# Altium PCB Nucleo Shield.PcbDoc (continued)
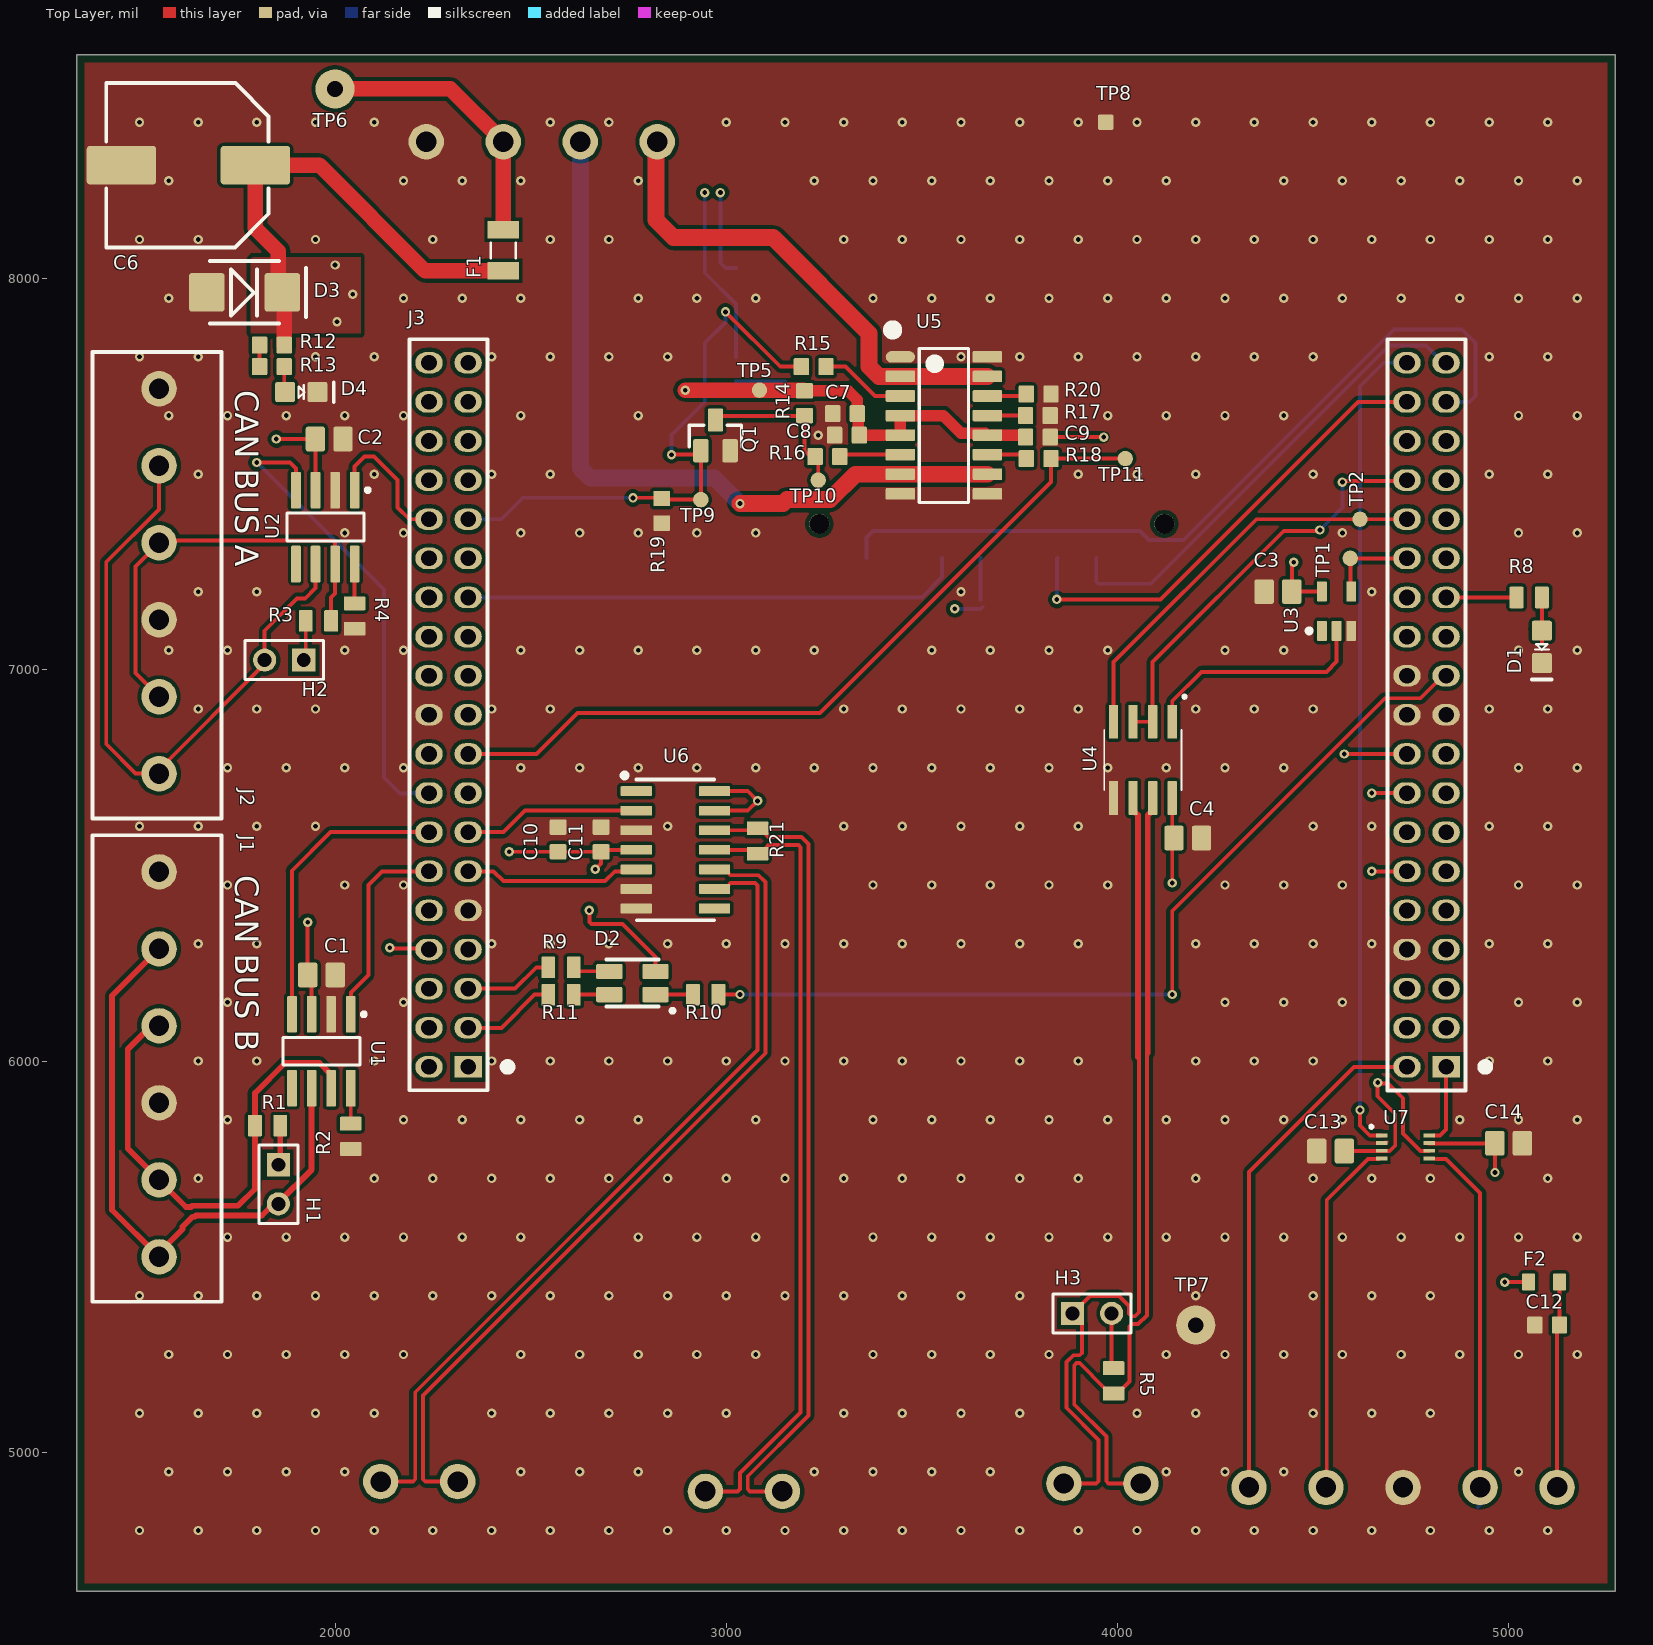
[diagram p0: Top Layer view]
## Components (designator, comment, footprint, x,y, rotation, side; value= is the part's Value field where it differs from the comment) (continued)
TP7 "TESTPOINT_LOOP" TESTPOINT_LOOP 4200,5325 r180 top
TP8 "TESTPOINT_1MM_SQUARE" TESTPOINT_SQUARE_1MM 3970,8400 r270 top
TP9 "TESTPOINT_1MM_CIRCLE" TESTPOINT_CIRCLE_1MM 2935,7435 r90 top
TP10 "TESTPOINT_1MM_CIRCLE" TESTPOINT_CIRCLE_1MM 3235,7485 r0 top
TP11 "TESTPOINT_1MM_CIRCLE" TESTPOINT_CIRCLE_1MM 4020,7540 r0 top
U1 "IC_CAN_TRANSCEIVER" LT-S8_N 1965,6025 r270 top
U2 "IC_CAN_TRANSCEIVER" LT-S8_N 1975,7365 r270 top
U3 "IC_BUFFER" SN74LV1T34DBVR 4560,7150 r90 top
U4 "MAX485CSA" SOIC127P600X175-8N 4065,6770 r270 top
U5 "IC_MOTOR_DRIVER_ST" SO-16N 3556.22,7625 r0 top
U6 "MAX3491" MAX3491CSD+T 2870,6540 r0 top
U7 "IC_LVL_SHIFTER_2_CH" TXS0102QDCURQ1 4675,5810 r270 top

## Footprints (in the part's own frame and the unit in brackets; to place one, negate y for a bottom-side part, rotate by r counter-clockwise, add the part's x,y. Pads: shape width x height; smd on the part's side, far side on the other; paste and mask are expansions set on the pad)
1935161 [mm] "TERM BLK 2POS SIDE ENTRY 5MM PCB"
  round 2.3 hole 1.325: 1(-2.5,0) 2(2.5,0)
  silkscreen extent -5.01,-4.57 4.83,3.94, body extent -5.01,-5.06 5.39,3.94, height 11.41
1935187 [mm]
  round 2.3 hole 1.325: 1(-7.5,0) 2(-2.5,0) 3(2.5,0) 4(7.5,0)
  silkscreen extent -10.41,-4.06 9.78,4.32, body extent -10.79,-4.06 9.78,4.94, height 11.41
1935190 [mm]
  round 2.3 hole 1.325: 1(-10,0) 2(-5,0) 3(0,0) 4(5,0) 5(10,0)
  silkscreen extent -12.91,-4.06 12.49,4.32, body extent -13.1,-4.1 12.47,4.9, height 11.41
1935200 [mm]
  round 2.3 hole 1.325: 1(0,0) 2(5,0) 3(10,0) 4(15,0) 5(20,0) 6(25,0)
  silkscreen extent -2.91,-4.06 27.37,4.32, body extent -2.71,-4.45 27.86,4.55, height 11.41
CAP0603 [mm]
  rrect20% 1x1.1 smd: 1(-0.8,0) 2(0.8,0)
  body extent -0.87,-0.48 0.88,0.48, height 0.87
CAP2012 [mm]
  rrect20% 1.25x1.6 smd: 1(-0.895,0) 2(0.895,0)
  body extent -1.1,-0.7 1.1,0.75, height 1.41
FUSE_0603 [mm] "Chip Fuse, Body 1.6x0.81mm"
  rrect15% 0.85x1.09 smd: 1(-1.005,0) 2(1.005,0)
  body extent -0.8,-0.38 0.8,0.38, height 0.75
FUSE_1206 [mil]
  rect 45x80 smd mask+1: 1(-52.5,0) 2(52.5,0)
  silkscreen extent -20,-32 20,32, body extent -65,-32 65,32, height 32
HDR1X2 [mm] "Connector; Header; 2 Position"
  rect 1.5x1.5 hole 0.9: 1(0,0)
  round 1.5 hole 0.9: 2(2.54,0)
  silkscreen extent -1.27,-1.27 3.81,1.27, body extent -1.27,-1.27 3.81,1.27, height 6.35
HEADER_NUCLEO [mil] "Nucleo board's header"
  rect 70x55 hole 40: 1(-1300,900) 39(1200,900)
  oval 70x55 hole 40: 2(-1200,900) 3(-1300,800) 4(-1200,800) 5(-1300,700) 6(-1200,700) 7(-1300,600) 8(-1200,600) 9(-1300,500) 10(-1200,500) 11(-1300,400) 12(-1200,400) 13(-1300,300) 14(-1200,300) 15(-1300,200) 16(-1200,200) 17(-1300,100) 18(-1200,100) 19(-1300,0) 20(-1200,0) 21(-1300,-100) 22(-1200,-100) 23(-1300,-200) 24(-1200,-200) 25(-1300,-300) 26(-1200,-300) 27(-1300,-400) 28(-1200,-400) 29(-1300,-500) 30(-1200,-500) 31(-1300,-600) 32(-1200,-600) 33(-1300,-700) 34(-1200,-700) 35(-1300,-800) 36(-1200,-800) 37(-1300,-900) 38(-1200,-900) 40(1300,900) 41(1200,800) 42(1300,800) 43(1200,700) 44(1300,700) 45(1200,600) 46(1300,600) 47(1200,500) 48(1300,500) 49(1200,400) 50(1300,400) 51(1200,300) 52(1300,300) 53(1200,200) 54(1300,200) 55(1200,100) 56(1300,100) 57(1200,0) 58(1300,0) 59(1200,-100) 60(1300,-100) 61(1200,-200) 62(1300,-200) 63(1200,-300) 64(1300,-300) 65(1200,-400) 66(1300,-400) 67(1200,-500) 68(1300,-500) 69(1200,-600) 70(1300,-600) 71(1200,-700) 72(1300,-700) 73(1200,-800) 74(1300,-800) 75(1200,-900) 76(1300,-900)
  silkscreen extent -1410,-960 1349,960, body extent -1350,-960 1350,960, height 335
HRS_DM1AA-SF-PEJ(21) [mm]
  rect 1.1x2 smd: 1(6.875,14.95) 2(4.375,14.95) 3(1.875,14.95) 4(-0.625,14.95) 5(-3.125,14.95) 6(-5.625,14.95) 7(-8.05,14.95) 8(-9.75,14.95) 9(9.375,14.95)
  rect 2x1 smd: 10(-13.3,3.55) 11(-13.3,-5.4) 12(-13.3,-8)
  rect 2x2 smd: 13(-13.7,8.2) 14(-13.7,-10.45) 15(15.3,-10.45) 16(15.3,8.2)
  round 1.3 hole 1.3 unplated: ""(-11.1,12.75) ""(11.3,12.75)
  silkscreen extent -13.2,-15.25 14.8,16.85, body extent -14.2,-15.25 15.8,15.25, height 2.9
LED_0805_GREEN [mm] "SMD, 2-Leads, Body 2x1.25mm"
  rrect20% 1.3x1.3 smd: 1(-1.05,0) 2(1.05,0)
  silkscreen extent -0.18,-0.63 2.11,0.64, body extent -1,-0.62 1,0.63, height 1.12
LED_RGB [mm]
  rrect20% 1x1.7 smd: 1(-0.75,-1.5) 2(-0.75,1.5) 3(0.75,1.5) 4(0.75,-1.5)
  silkscreen extent -1.92,-2.73 1.53,1.7, body extent -1.4,-1.75 1.4,1.75, height 1.89
LT-S8_N [mm] "SOP, 8-Leads, Body 4.9x3.9mm, Pitch 1.27mm, IPC Medium Density"
  rrect20% 2.375x0.625 smd: 1(-2.4,1.905) 2(-2.4,0.635) 3(-2.4,-0.635) 4(-2.4,-1.905) 5(2.4,-1.905) 6(2.4,-0.635) 7(2.4,0.635) 8(2.4,1.905)
  silkscreen extent -2.52,-2.5 0.9,2.88, body extent -2.91,-2.4 2.87,2.5, height 1.45
MAX3491CSD+T [mil] "RS-422/485 Transceiver footprint (14-SOIC)"
  rrect15% 80x25 smd: 1(-100,150) 2(-100,100) 3(-100,50) 4(-100,0) 5(-100,-50) 6(-100,-100) 7(-100,-150) 8(100,-150) 9(100,-100) 10(100,-50) 11(100,0) 12(100,50) 13(100,100) 14(100,150)
  silkscreen extent -135,-180 98,195, body extent -120,-173 117,173, height 67
NMOS_SSOT-3 [mm] "FDN337N"
  rrect20% 1x1.5 smd: 1(-0.95,-1) 2(0.95,-1) 3(0,1)
  silkscreen extent -1.7,-0.75 1.7,0.66, body extent -1.46,-1.41 1.46,1.1, height 1.12
RADIAL_PANASONIC_G [mm] "Size G radial surface mount capacitor"
  rrect15% 2.5x4.5 smd: 1(0,-4.35) 2(0,4.35)
  silkscreen extent -5.33,-5.21 5.33,5.33, body extent -5.15,-5.8 5.15,5.8, height 10.21
RESC0603 [mm] "Chip Resistor, Body 1.6x0.8mm, IPC Medium Density"
  rrect15% 1x1.1 smd: 1(0,0) 2(1.6,0)
  body extent 0,-0.4 1.6,0.4, height 0.46
RESC0805 [mm] "Chip Resistor, 2-Leads, Body 2.00x1.25mm, IPC High Density"
  rrect15% 0.9x1.4 smd: 1(-0.825,0) 2(0.825,0)
  body extent -1,-0.62 1,0.63, height 0.61
SN74LV1T34DBVR [mm] "SOT-23-5, Unidirectional level shifter"
  rrect15% 1.3x0.63 smd mask+0.05: 1(-1.279,0.95) 2(-1.279,0) 3(-1.279,-0.95) 4(1.279,-0.95) 5(1.279,0.95)
  silkscreen extent -1.42,1.64 -1.14,1.92, body extent -1.4,-1.45 1.4,1.45, height 1.2
SO-16N [mm]
  oval 1.9x0.75 smd: 1(-2.825,4.445)
  rrect15% 1.9x0.75 smd: 2(-2.825,3.175) 3(-2.825,1.905) 4(-2.825,0.635) 5(-2.825,-0.635) 6(-2.825,-1.905) 7(-2.825,-3.175) 8(-2.825,-4.445) 9(2.825,-4.445) 10(2.825,-3.175) 11(2.825,-1.905) 12(2.825,-0.635) 13(2.825,0.635) 14(2.825,1.905) 15(2.825,3.175) 16(2.825,4.445)
  silkscreen extent -3.45,-5 1.6,6.32, body extent -3,-5 3,5, height 1.75
SOIC127P600X175-8N [mm]
  rrect15% 2.2x0.6 smd: 1(-2.475,1.905) 2(-2.475,0.635) 3(-2.475,-0.635) 4(-2.475,-1.905) 5(2.475,-1.905) 6(2.475,-0.635) 7(2.475,0.635) 8(2.475,1.905)
  silkscreen extent -4.2,-2.51 1.95,2.8, body extent -3,-2.45 3,2.45, height 1.75
TESTPOINT_CIRCLE_1MM [mm]
  round 1 smd: 1(0,0)
TESTPOINT_LOOP [mm]
  round 2.54 hole 1.02: 1(0,0)
  body extent -1.27,-1.27 1.27,1.27, height 4.57
TESTPOINT_SQUARE_1MM [mm]
  rrect20% 1x1 smd: 1(0,0)
TVS_DIODE_UNIDIRECTIONAL_SMB [mm] "SMBJ26A"
  rrect15% 2.3x2.5 smd: 1(-2.45,0) 2(2.45,0)
  silkscreen extent -4,-2.03 2.25,2.03, body extent -2.7,-1.8 2.7,1.8, height 2.27
TXS0102QDCURQ1 [mm]
  rect 0.25x0.75 smd: 1(0,0) 2(0.5,0) 3(1,0) 4(1.5,0) 5(1.5,3.1) 6(1,3.1) 7(0.5,3.1) 8(0,3.1)
  silkscreen extent -0.66,-0.76 -0.46,-0.56, body extent -0.29,0.1 1.81,3.2, height 0.9

## Part data
C1 C2 C3 C4 C5 C13 C14: "CAP CER 0.1UF 50V X7R 0805", Dielectric=X7R, LCSC Part #=C49678, Manufacturer 1="Murata Electronics", Manufacturer Part Number 1=GCM21BR71H104KA37K, Package/Footprint=0805, Supplier Part Number 1=490-8049-1-ND, Voltage Rating=50V, Mounting Type=SMD, Supplier 1=Digi-Key
C6: "CAP ALUM 270uF 50VDC 20% SMD", Manufacturer 1="Panasonic Electronic Components", Manufacturer Part Number 1=EEE-FN1H271UP, Package/Footprint=SMD, Supplier Part Number 1=10-EEE-FN1H271UPCT-ND, Voltage Rating=50V, Mounting Type=SMD, Supplier 1=Digi-Key
C7 C8 C9 C11 C12: "CAP CER 0.1UF 50V X7R 0603", Dielectric=X7R, Manufacturer 1=Yageo, Manufacturer Part Number 1=CC0603KRX7R9BB104, Package/Footprint=0603, Supplier Part Number 1=311-1344-1-ND, Voltage Rating=50V, Mounting Type=SMD, Supplier 1=Digi-Key
C10: "CAP CER 1UF 25V X5R 0603", Dielectric=X5R, Manufacturer 1=Samsung, Manufacturer Part Number 1=CL10A105KA8NNNC, Package/Footprint=0603, Supplier Part Number 1=1276-1102-1-ND, Voltage Rating=25V, Mounting Type=SMD, Supplier 1=Digi-Key
D1 D4: "LED GREEN DIFFUSED 0805 SMD", Forward Voltage Drop=2.2V, Manufacturer 1=OSRAM, Manufacturer Part Number 1="LG R971-KN-1", Package/Footprint=0805, Supplier Part Number 1=475-1410-1-ND, Mounting Type=SMD, Supplier 1=Digi-Key
D2: "LED RGB DIFFUSED 4PLCC SMD", Color=Blue,Green,Red, Forward Voltage=3.1V, Lens Color=White, Manufacturer 1=Broadcom, Manufacturer Part Number 1=ASMB-MTB1-0A3A2, Package/Footprint=4-PLCC, Supplier Part Number 1=516-3280-1-ND, Test Current=20mA, Dominant Wavelength=470nm, Lens Style=Round, Lens Transparency=Diffused, Luminous Intensity=350mcd, Mounting Type=SMD, Number of Pins=4, Supplier 1=Digi-Key, Viewing Angle=115°
D3: "TVS DIODE 26V 42.1V SMB", Manufacturer 1=Littelfuse, Manufacturer Part Number 1=SMBJ26A, Package/Footprint=SMB, Supplier Part Number 1=SMBJ26ALFCT-ND, Mounting Type=SMD, Supplier 1=Digi-Key, Verified=No
F1: "FUSE BOARD MNT 5A 32VAC/VDC 1206", Current Rating=5A, Manufacturer 1=Littelfuse, Manufacturer Part Number 1=0466005.NRHF, Package/Footprint=1206, Supplier Part Number 1=F6019CT-ND, Mounting Type=SMD, Supplier 1=Digi-Key
F2: "FUSE SMD 250mA 32V", Current Rating=250mA, Manufacturer 1=Littelfuse, Manufacturer Part Number 1=0467.250NRHF, Package/Footprint=0603, Supplier Part Number 1=F6020CT-ND, Voltage Rating (DC)=32V, Mounting Type=SMD, Supplier 1=Digi-Key
H1 H2 H3: "HEADER 2X1", Manufacturer 1="TE Connectivity", Manufacturer Part Number 1=87220-2, Package/Footprint=TH, Supplier Part Number 1=A26542-ND, Mounting Type=TH, Supplier 1=Digi-Key
J1 J2: "TERM BLK 6POS SIDE ENTRY 5MM", Manufacturer 1="Phoenix Contact", Manufacturer Part Number 1=1935200, Package/Footprint=TH, Supplier Part Number 1=277-1581-ND, Mounting Type=TH, Pitch=5mm, Screw Thread=M2.6, Supplier 1=Digi-Key, Wire Gauge=12-26AWG
J3: "CONN HDR 38POS 0.1 GOLD PCB", Manufacturer 1=Sullins, Manufacturer Part Number 1=PPPC192LFBN-RC, Package/Footprint=TH, Supplier Part Number 1=S7122-ND, Mounting Type=TH, Supplier 1=Digi-Key, Verified=No
J4: "CONN SD CARD PUSH-PUSH R/A SMD", Manufacturer 1="Hirose Electric Co Ltd", Manufacturer Part Number 1=DM1AA-SF-PEJ(21), Supplier Part Number 1=HR845CT-ND, Supplier 1=Digi-Key
J5: "TERM BLK 4POS SIDE ENTRY 5MM PCB", Manufacturer 1="Phoenix Contact", Manufacturer Part Number 1=1935187, Package/Footprint=TH, Supplier Part Number 1=277-1579-ND, Mounting Type=TH, Pitch=5mm, Screw Thread=M2.6, Supplier 1=Digi-Key, Wire Gauge=12-26AWG
J6 J7 J8: "TERM BLK 2POS SIDE ENTRY 5MM", Manufacturer 1="Phoenix Contact", Manufacturer Part Number 1=1935161, Package/Footprint=SMD, Supplier Part Number 1=277-1667-ND, Mounting Type=TH, Supplier 1=Digi-Key
J9: "TERM BLK 5POS SIDE ENTRY 5MM", Manufacturer 1="Phoenix Contact", Manufacturer Part Number 1=1935190, Package/Footprint=TH, Supplier Part Number 1=277-1580-ND, Mounting Type=TH, Supplier 1=Digi-Key
Q1: "MOSFET N-CH 30V 2.2A SUPERSOT3", Manufacturer 1="ON Semiconductor / Fairchild", Manufacturer Part Number 1=FDN337N, Package/Footprint=SuperSOT-3, Supplier Part Number 1=FDN337NCT-ND, Id=2.2A, Mounting Type=SMD, Supplier 1=Digi-Key, Vdss=30V, Verified=No, Vgs (Max)=±8V
R1 R3 R5 R8 R10 R21: "RES 120 OHM 1% 1/8W 0805", LCSC Part #=C17437, Manufacturer 1=Vishay, Manufacturer Part Number 1=CRCW0805120RFKEA, Package/Footprint=0805, Supplier Part Number 1=541-120CCT-ND, Mounting Type=SMD, Supplier 1=Digi-Key
R2 R4: "RES 0 OHM JUMPER 1/8W 0805", LCSC Part #=C17477, Manufacturer 1="Panasonic Electronic Components", Manufacturer Part Number 1=ERJ-6GEY0R00V, Package/Footprint=0805, Supplier Part Number 1=P0.0ACT-ND, Mounting Type=SMD, Supplier 1=Digi-Key
R6 R7: "RES 10K OHM 5% 1/10W 0603", Manufacturer 1=Yageo, Manufacturer Part Number 1=RC0603JR-0710KL, Package/Footprint=0603, Supplier Part Number 1=311-10KGRCT-ND, Mounting Type=SMD, Supplier 1=Digi-Key
R9 R11: "RES 20 OHM 1% 1/8W 0805", LCSC Part #=C17581, Manufacturer 1=Yageo, Manufacturer Part Number 1=RC0805FR-0720RL, Package/Footprint=0805, Supplier Part Number 1=311-20.0CRCT-ND, Mounting Type=SMD, Supplier 1=Digi-Key
R12 R13 R14 R15 R16 R17 R18 R19 R20: "RES 1K OHM 5% 1/10W 0603", Manufacturer 1=Yageo, Manufacturer Part Number 1=RC0603JR-071KL, Package/Footprint=0603, Supplier Part Number 1=311-1.0KGRCT-ND, Mounting Type=SMD, Supplier 1=Digi-Key
TP1 TP2 TP5 TP9 TP10 TP11: "TESTPOINT 1MM CIRCLE"
TP6 TP7: "TESTPOINT THRUHOLE", Manufacturer 1="Keystone Electronics", Manufacturer Part Number 1=5002, Package/Footprint=TH, Supplier Part Number 1=36-5002-ND, Mounting Type=TH, Supplier 1=Digi-Key
TP8: "TESTPOINT 1MM SQUARE"
U1 U2: "IC TXRX CAN 4MBPS 8SO", LCSC Part #=C117076, Manufacturer 1="Linear Technologies", Manufacturer Part Number 1=LTC2875IS8#PBF, Package/Footprint=8-SOIC, Supplier Part Number 1=LTC2875IS8#PBF-ND, Mounting Type=SMD, Supplier 1=Digi-Key
U3: "IC BUF NON-INVERT 5.5V SOT23-5", LCSC Part #=C100024, Manufacturer 1="Texas Instruments", Manufacturer Part Number 1=SN74LV1T34DBVR, Package/Footprint=SOT-23-5, Supplier Part Number 1=296-37176-1-ND, Mounting Type=SMD, Supplier 1=Digi-Key
U4: "IC RS485 TRANSCEIVER HALF 1/1 8SOIC", LCSC Part #=C9945, Manufacturer 1="Maxim Integrated", Manufacturer Part Number 1=MAX485CSA+T, Package/Footprint=8-SOIC, Supplier Part Number 1=MAX485CSA+TCT-ND, Supply Voltage="4.75V - 5.25V", Data Rate=2.5Mbps, Mounting Type=SMD, Protocol="RS422, RS485", Supplier 1=Digi-Key
U5: "IC MOTOR DRIVER 4V-28V 16SOIC", Manufacturer 1=STMicroelectronics, Manufacturer Part Number 1=VNH7070ASTR, Output Current=15A, Package/Footprint=16-SOIC, Supplier Part Number 1=497-17630-1-ND, Mounting Type=SMD, Supplier 1=Digi-Key, Verified=Yes
U6: "IC RS485 TRANSCEIVER FULL 1/1 14SOIC", Manufacturer 1=Maxim, Manufacturer Part Number 1=MAX3491CSD+T, Package/Footprint=14-SOIC, Supplier Part Number 1=MAX3491CSD+CT-ND, Mounting Type=SMD, Supplier 1=Digi-Key
U7: "IC TRNSLTR BIDIRECTIONAL US8", Manufacturer 1="Texas Instruments", Manufacturer Part Number 1=TXS0102QDCURQ1, Max Operating Temperature=125°C, Max Supply Voltage=4.6V, Min Operating Temperature=-40°C, Min Supply Voltage=-0.5V, Package Body Material=Plastic, Package Code=VSSOP, Package Shape=Rectangular, Package Style="SMALL OUTLINE, VERY THIN PROFILE, SHRINK PITCHMeter", Peak Reflow Temperature (Cel)=260°C, Supplier Part Number 1=296-37938-1-ND, Supply Voltage-Nom=3.3V, Temperature Grade=AUTOMOTIVE, Category="Interface ICs", ComponentLink1Description=https://www.ti.com:443/lit/ds/symlink/txs0102-q1.pdf?src-supplier=IHS+Markit, ComponentLink1URL=https://www.ti.com:443/lit/ds/symlink/txs0102-q1.pdf?src-supplier=IHS+Markit, ComponentLink2Description=https://datasheet.ciiva.com/48438/txs0102-q1-48438266.pdf?src-supplier=Avnet, ComponentLink2URL=https://datasheet.ciiva.com/48438/txs0102-q1-48438266.pdf?src-supplier=Avnet, Height - Seated (Max)=0.9mm, Interface IC Type="INTERFACE CIRCUIT", JESD-30 Code=R-PDSO-G8, JESD-609 Code=e4, Length=2.3mm, Moisture Sensitivity Level=2, Number of Functions=1, Number of Pins=8, Pricing 1="1=0.82000, 10=0.71900, 25=0.67600, 100=0.55150, 250=0.51232, 500=0.43600, 1000=0.34880 (USD)", RoHS=Yes, Stock 1=25079, Supplier 1=Digi-Key, Surface Mount=Yes, Terminal Finish=Nickel, Terminal Form="Gull Wing", Terminal Pitch=0.5mm, Terminal Position=DUAL, Width=2mm

## Via types
v1: diameter 24, hole 12, Top Layer to Bottom Layer, 454 vias

## Nets (pads, with @x,y where several pads share a name; then routed paths per layer and width w, separated by ;. In a path a pad name is that pad's centre, name@x,y a point inside that pad or via, vN(x,y) a via of type N, cw(c..) or ccw(c..) an arc to the next point about the centre after c; other vN are vias at no path point)
3V3: C1.1 C2.1 C3.1 C5.2 C10.2 C11.2 C13.2 D2.4 J3.12 J3.16 J4.4 R6.2 R7.2 U1.3 U2.3 U3.5 U6.4 U6.13 U6.14 U7.3 U7.6 | length 3129.6
  Top Layer w10: v1(1850,7590) C2.1 1950,7589.53 U2.3 ; v1(1930,6355) C1.1 1940,6210 U1.3 ; v1(2445,6535) C10.2 C11.2 ; v1(2650,6385) 2650,6355.86 2655.86,6350 2735,6350 2819.06,6265.94 D2.4 D2.4@2825.22,6235 ; v1(2665,6490) 2680,6505 C11.2 ; U6.4 2685,6540 C11.2 ; U6.13 3055,6640 v1(3080,6665) 3055,6690 U6.14 ; C3.1 4445.83,7200.35 4445.83,7266.57 4450.47,7271.21 v1(4450.47,7275) ; C3.1@4450.35,7200.35 4455,7200.35 U3.5 ; C13.2 4672.95,5770 4672.95,5770.39 4695.98,5770.39 4710,5784.42 4710,5865 4665,5910 v1(4665,5945) 4667,5943 4692,5943 4730,5905 4730,5815 4775,5770 4783.28,5770 4783.84,5770.55 U7.6 U7.6 ; v1(4650,6485) J3.12 ; v1(4650,6685) J3.16
  Bottom Layer w10: v1(2945,8220) 2945,8015 3025,7935 R7.2 ; v1(2985,8220) 2985,8040 2997.99,8027.01 R6.2 ; v1(3584.09,7155.91) 3650.44,7155.91 C5.2 ; C5.2@3650,7180 3650,7286.02 J4.4
5V: C4.1 C14.1 F2.2 J3.18 J3.46 U4.8 U7.7 | length 788.5
  Top Layer w10: v1(2140,6290) 2142.5,6287.5 2237.5,6287.5 J3.46 ; v1(4140,6455) 4140,6565.47 C4.1 4140,6574.53 U4.8 ; v1(4580,6785) J3.18 ; U7.7@4795,5789.69 4964.21,5789.69 4965,5788.9 v1(4965,5715) ; v1(4990,5435) F2.2
BISS_A_CLK_N: J8.1 U6.10 | length 2124.3
  Top Layer w10: J8.1 2230.86,4925 2225,4930.86 2225,5145 3100,6020 3100,6457.43 3082.43,6475 3010.86,6475 3005,6480.86 3005,6482.5 2997.5,6490 U6.10
BISS_A_CLK_P: J8.2 U6.9 | length 2091.2
  Top Layer w10: J8.2 2199.14,4925 2205,4930.86 2205,5153.28 3080,6028.28 3080,6449.14 3074.14,6455 3010.86,6455 3005,6449.14 3005,6447.5 2997.5,6440 U6.9
BISS_A_DATA_N: J7.2 R21.1 U6.11 | length 2034
  Top Layer w10: J7.2 3029.14,4900 3035,4905.86 3035,4946.82 3190,5101.82 3190,6546.62 3184.14,6552.48 3108.42,6552.48 3102.56,6546.62 3102.56,6542.72 3089.84,6530 R21.1 3070,6540 U6.11
BISS_A_DATA_P: J7.1 R21.2 U6.12 | length 2065
  Top Layer w10: U6.12 3075.04,6590 R21.2 3089.84,6594.96 3102.56,6582.24 3102.56,6578.34 3108.42,6572.48 3192.43,6572.48 3210,6554.91 3210,5093.53 3055,4938.53 3055,4905.86 3060.86,4900 J7.1
CANA_N: H1.2 J1.1 J1.5 U1.6 | length 1589.2
  Top Layer w10: H1.2@1843.08,5635 1853.75,5635 1855,5636.25 H1.2
  Top Layer w15: J1.5 1430,6166.85 1430,5619.45 J1.1 1550,5510.17 1610.14,5570.31 1610.14,5576.59 1635.43,5601.88 1641.71,5601.88 1644.83,5605 1813.08,5605 H1.2@1843.08,5635 ; H1.2@1855,5636.25 1855,5637.5 1940,5722.5 U1.6
CANA_P: J1.2 J1.4 R1.1 U1.7 | length 1283.4
  Top Layer w15: J1.4 1530,6090 1470,6030 1470,5776.3 J1.2 1550,5695.81 1618.93,5626.88 1631.35,5626.88 1634.48,5630 1752.06,5630 1795.04,5672.98 R1.1 1795.04,5917.91 1871.89,5994.76 1960.2,5994.76 1990,5964.96 U1.7
CANB_N: H2.2 J2.1 J2.5 U2.6 | length 1648.3
  Top Layer w10: J2.5 1550,7410.24 1415,7275.24 1415,6810 1490,6735 1549.45,6735 J2.1 1550,6744.72 1820,7014.72 H2.2 1820,7100 1902.57,7182.57 1923.81,7182.57 1950,7208.76 U2.6
CANB_P: J2.2 J2.4 R3.1 U2.7 | length 1102.1
  Top Layer w10: J2.2 1489.72,6991.57 1489.72,7264.72 1555.26,7330.26 1994.74,7330.26 2000,7325 U2.7 2000,7195 1990,7185 R3.1
GND: C1.2 C2.2 C3.2 C4.2 C5.1 C6.2 C7.1 C8.1 C9.2 C10.1 C11.1 C12.1 C13.1 C14.2 D1.2 D3.2 D4.2 J1.3 J1.6 J2.3 J2.6 J3.8 J3.19 J3.20 J3.22 J3.47 J3.58 J4.3 J4.6 J4.12 J4.13 J5.4 J9.3 Q1.2 R2.1 R4.1 R17.1 R19.1 R20.1 TP7.1 TP8.1 U1.2 U2.2 U3.3 U4.5 U5.1 U5.8 U5.9 U5.16 U6.3 U6.6 U6.7 U7.2 | length 137
  Top Layer w10: C9.2 v1(3965,7595)
  other v1: 1500,4800 1650,4800 1800,4800 1950,4800 2100,4800 2250,4800 2400,4800 2550,4800 2700,4800 2850,4800 3000,4800 3150,4800 3300,4800 3450,4800 3600,4800 3750,4800 3900,4800 4050,4800 4200,4800 4350,4800 4500,4800 4650,4800 4800,4800 4950,4800 5100,4800 1575,4950 1725,4950 1875,4950 2025,4950 2475,4950 2625,4950 2775,4950 3225,4950 3375,4950 3525,4950 3675,4950 4125,4950 4275,4950 4425,4950 5025,4950 1500,5100 1650,5100 1800,5100 1950,5100 2100,5100 2400,5100 2550,5100 2700,5100 2850,5100 3000,5100 3300,5100 3450,5100 3600,5100 3750,5100 4050,5100 4200,5100 4500,5100 4650,5100 4800,5100 1575,5250 1725,5250 1875,5250 2025,5250 2175,5250 2475,5250 2625,5250 2775,5250 2925,5250 3075,5250 3375,5250 3525,5250 3675,5250 3825,5250 4125,5250 4275,5250 4425,5250 4575,5250 4725,5250 4875,5250 5025,5250 5175,5250 1500,5400 1650,5400 1800,5400 1950,5400 2100,5400 2250,5400 2400,5400 2550,5400 2700,5400 2850,5400 3000,5400 3150,5400 3300,5400 3450,5400 3600,5400 3750,5400 4200,5400 4500,5400 4650,5400 4800,5400 1725,5550 1875,5550 2025,5550 2175,5550 2325,5550 2475,5550 2775,5550 2925,5550 3075,5550 3375,5550 3525,5550 3675,5550 3825,5550 3975,5550 4125,5550 4275,5550 4425,5550 4575,5550 4725,5550 4875,5550 5025,5550 5175,5550 1650,5700 2100,5700 2250,5700 2400,5700 2550,5700 2700,5700 2850,5700 3000,5700 3150,5700 3300,5700 3450,5700 3600,5700 3750,5700 3900,5700 4200,5700 4500,5700 4650,5700 4800,5700 5100,5700 1725,5850 2175,5850 2325,5850 2475,5850 2625,5850 2775,5850 3075,5850 3375,5850 3525,5850 3675,5850 3825,5850 3975,5850 4125,5850 4275,5850 4425,5850 4575,5850 4875,5850 5025,5850 5175,5850 1650,6000 1800,6000 2100,6000 2400,6000 2550,6000 2700,6000 2850,6000 3000,6000 3150,6000 3300,6000 3450,6000 3600,6000 3750,6000 3900,6000 4200,6000 4350,6000 4500,6000 4950,6000 5100,6000 1725,6150 2175,6150 4275,6150 4425,6150 4575,6150 5025,6150 5175,6150 1650,6300 1800,6300 2400,6300 2550,6300 2700,6300 2850,6300 3000,6300 3150,6300 3300,6300 3450,6300 3600,6300 3750,6300 3900,6300 4200,6300 4350,6300 4500,6300 4650,6300 4950,6300 5100,6300 1725,6450 2025,6450 2175,6450 3375,6450 3525,6450 3675,6450 3825,6450 3975,6450 4275,6450 4425,6450 4575,6450 5025,6450 5175,6450 1500,6600 1650,6600 1800,6600 1950,6600 2850,6600 3300,6600 3450,6600 3600,6600 3750,6600 3900,6600 4500,6600 4650,6600 4950,6600 5100,6600 1725,6750 1875,6750 2025,6750 2175,6750 2475,6750 2625,6750 2775,6750 2925,6750 3075,6750 3225,6750 3375,6750 3525,6750 3675,6750 3825,6750 3975,6750 4125,6750 4275,6750 4425,6750 5025,6750 5175,6750 1650,6900 1800,6900 1950,6900 2400,6900 2550,6900 3300,6900 3450,6900 3600,6900 3750,6900 3900,6900 4200,6900 4350,6900 4500,6900 4950,6900 5100,6900 1575,7050 1725,7050 2025,7050 2175,7050 2475,7050 2625,7050 2775,7050 2925,7050 3075,7050 3225,7050 3525,7050 3675,7050 3825,7050 3975,7050 4275,7050 4425,7050 5025,7050 5175,7050 1650,7200 1800,7200 3600,7200 4650,7200 2025,7350 2175,7350 2475,7350 2625,7350 2775,7350 2925,7350 3075,7350 4575,7350 5025,7350 5175,7350 1650,7500 2100,7500 2400,7500 2550,7500 3900,7500 4050,7500 4200,7500 4500,7500 4950,7500 5100,7500 3235,7600 1575,7650 1725,7650 1875,7650 2025,7650 2175,7650 2475,7650 2775,7650 3975,7650 4125,7650 4275,7650 4425,7650 5025,7650 5175,7650 1500,7800 1650,7800 1950,7800 2100,7800 2400,7800 2550,7800 2700,7800 2850,7800 3600,7800 3750,7800 3900,7800 4050,7800 4200,7800 4350,7800 4500,7800 4950,7800 5100,7800 1575,7950 2175,7950 2325,7950 2475,7950 2775,7950 2925,7950 3075,7950 3375,7950 3525,7950 3675,7950 3825,7950 3975,7950 4125,7950 4275,7950 4425,7950 4575,7950 4725,7950 4875,7950 5025,7950 5175,7950 1500,8100 1650,8100 1950,8100 2250,8100 2550,8100 2700,8100 3300,8100 3450,8100 3600,8100 3750,8100 3900,8100 4050,8100 4200,8100 4350,8100 4500,8100 4650,8100 4800,8100 4950,8100 5100,8100 1575,8250 2175,8250 2325,8250 2475,8250 2775,8250 3225,8250 3375,8250 3525,8250 3675,8250 3825,8250 3975,8250 4125,8250 4425,8250 4575,8250 4725,8250 4875,8250 5025,8250 5175,8250 1500,8400 1650,8400 1800,8400 1950,8400 2100,8400 2550,8400 2700,8400 3000,8400 3150,8400 3300,8400 3450,8400 3600,8400 3750,8400 3900,8400 4050,8400 4200,8400 4350,8400 4500,8400 4650,8400 4800,8400 4950,8400 5100,8400
MOTOR_DIR: J3.67 Q1.1 R15.1 R19.2 TP9.1 | length 1485.3
  Top Layer w10: v1(2761.51,7439.5) 2762.01,7440 2832.99,7440 R19.2 ; R19.2@2845,7435 TP9.1 Q1.1 2925,7550 v1(2860,7550) ; v1(2998,7915) 3138,7775 R15.1
  Bottom Layer w10: J3.67 2425,7385 2480,7440 v1@2759.71,7440 ; v1(2860,7550) 2860,7600 2945,7685 2945,7835 2998,7888 v1(2998,7915)
MOTOR_PWM: J3.55 R18.1 TP11.1 | length 2027.9
  Top Layer w10: J3.55 2515,6785 2620,6890 3240,6890 3830,7480 R18.1 TP11.1
NetC12_2: C12.2 F2.1 J9.5 | length 542.6
  Top Layer w10: J9.5@5123.7,4895 5123.7,5318.7 C12.2 F2.1
NetD1_1: D1.1 R8.2 | length 128.3
  Top Layer w10: D1.1@5065,7105 5084.96,7085.04 5084.96,7069.96 ; D1.1 R8.2
NetD2_1: D2.1 R10.2 | length 96.7
  Top Layer w10: D2.1 2914.78,6169.78 R10.2 R10.2@2914.53,6170.47
NetD2_2: D2.2 R11.1 | length 91.1
  Top Layer w10: R11.1 2610.47,6169.78 D2.2
NetD2_3: D2.3 R9.1 | length 95.3
  Top Layer w10: R9.1 2619.81,6229.49 2700.29,6229.49 D2.3
NetD4_1: D4.1 R13.1 | length 66
  Top Layer w10: R13.1 1870,7712.32 D4.1
NetH1_1: H1.1 R1.2 | length 102.1
  Top Layer w15: H1.1 1860,5740 R1.2
NetH2_1: H2.1 R3.2 | length 102.1
  Top Layer w10: H2.1 1925.04,7030.04 R3.2
NetH3_2: H3.2 R5.2 | length 142.1
  Top Layer w10: H3.2 3985,5220 R5.2
NetJ3_1: J3.1 U7.8 | length 196.3
  Top Layer w10: U7.8@4810,5809.69 4824.69,5809.69 4840,5825 J3.1
NetJ3_2: J3.2 J9.1 | length 1336.3
  Top Layer w10: J9.1@4336.3,4895 4336.3,5716.3 4605,5985 J3.2
NetJ3_21: J3.21 R10.1 | length 2322.5
  Top Layer w10: R10.1 v1(3035,6170) ; v1(4140,6170) 4140,6383.18 4684.32,6927.5 4775,6927.5 4832.5,6985 J3.21
  Bottom Layer w10: v1(3035,6170) v1(4140,6170)
NetJ3_25: J3.25 R8.1 | length 180
  Top Layer w10: J3.25 R8.1
NetJ3_28: J3.28 TP1.1 U3.4 | length 230.6
  Top Layer w10: U3.4 4596.2,7201.56 4596.2,7283.8 TP1.1 J3.28
NetJ3_30: J3.30 TP2.1 U4.4 | length 1053.7
  Top Layer w10: U4.4 3990,7020 4355,7385 TP2.1 J3.30
NetJ3_32: J3.32 U4.2 U4.3 | length 1083.2
  Top Layer w10: U4.3 U4.2 4090,7020 4425,7355 4515,7355 v1(4517.5,7357.5) ; v1(4575,7480) 4577.5,7482.5 4737.5,7482.5 J3.32
  Bottom Layer w10: v1(4517.5,7357.5) 4575,7415 v1(4575,7480)
NetJ3_35: J3.35 J4.7 | length 2078.3
  Bottom Layer w10: J4.7 3358.07,7338.07 3375,7355 4057.75,7355 4080.31,7332.44 4169.16,7332.44 4706.72,7870 4880,7870 4915,7835 4915,7700 4900,7685 J3.35
NetJ3_36: J3.36 J4.2 | length 1211.5
  Top Layer w10: v1(3845,7180) 4110,7180 4615,7685 J3.36
  Bottom Layer w10: v1(3845,7180) 3845,7284.17 J4.2
NetJ3_37: J3.37 J4.1 | length 1227.6
  Bottom Layer w10: J4.1 3945.67,7225.86 3951.53,7220 4085,7220 4693.75,7828.75 4788.75,7828.75 4832.5,7785 J3.37
NetJ3_38: J3.38 U7.1 | length 2107.3
  Top Layer w10: v1(4620,5875) 4620,5835 4645,5810 U7.1
  Bottom Layer w10: v1(4620,5875) 4620,7725 4680,7785 J3.38 J3.38@4735,7790
NetJ3_41: J3.41 R11.2 | length 246.6
  Top Layer w10: J3.41 2425,6085 2510,6170 2544.34,6170 R11.2 R11.2@2540.73,6165
NetJ3_43: J3.43 R9.2 | length 227.5
  Top Layer w10: J3.43 2460,6185 2514.3,6239.31 R9.2
NetJ3_49: J3.49 U6.5 | length 452.8
  Top Layer w10: J3.49 2405,6485 2430,6460 2690,6460 2715,6485 2765,6485 U6.5
NetJ3_50: J3.50 U1.1 | length 518.6
  Top Layer w10: U1.1 2040.38,6119.87 2040.38,6175.38 2085,6220 2085,6450 2120,6485 J3.50
NetJ3_51: J3.51 U6.2 | length 452.8
  Top Layer w10: J3.51 2430,6585 2485,6640 U6.2
NetJ3_52: J3.52 U1.4 | length 758.6
  Top Layer w10: U1.4 1890,6485 1889.14,6485.86 1988.28,6585 J3.52
NetJ3_54: J3.54 U2.4 | length 1233.6
  Top Layer w10: v1(1800,7530) 1885,7530 1900,7515 U2.4
  Bottom Layer w10: v1(1800,7530) 2125,7205 2125,6725 2165.86,6684.14 2188.36,6684.14 2189.21,6685 J3.54
NetJ3_63: J3.63 J4.5 | length 1282.9
  Bottom Layer w10: J3.63 3500,7185 3551.97,7236.97 J4.5
NetJ3_68: J3.68 U2.1 | length 368.1
  Top Layer w10: U2.1 2050,7520 2075,7545 2100,7545 2160,7485 2160,7415 2190,7385 J3.68
NetJ4_10: J4.10 R7.1 | length 127.1
  Bottom Layer w10: R7.1 3149.61,7737.01 J4.10
NetJ4_11: J4.11 R6.1 | length 127.4
  Bottom Layer w10: R6.1 3148.98,8090 J4.11
NetJ9_2: J9.2 U7.4 | length 929.3
  Top Layer w10: J9.2@4533.15,4895 4535,4896.85 4535,5645 4640,5750 U7.4@4670,5750
NetJ9_4: J9.4 U7.5 | length 927.5
  Top Layer w10: 4815,5750 4840,5750 4926.85,5663.15 J9.4@4926.85,4895
  Bottom Layer w10: 4921.85,4860 J9.4@4930,4868.15
NetR2_2: R2.2 U1.8 | length 90.6
  Top Layer w10: R2.2 U1.8
NetR4_2: R4.2 U2.8 | length 100.6
  Top Layer w10: R4.2 U2.8
NetR12_1: R12.1 R13.2 | length 55
  Top Layer w10: R13.2 R12.1
NetR15_2: R15.2 U5.3 | length 236.4
  Top Layer w10: R15.2@3260.86,7769.14 R15.2 3305,7775 3380,7700 U5.3 U5.3@3440,7705
NetR16_2: R16.2 U5.6 | length 145
  Top Layer w10: R16.2@3300,7550 U5.6
NetR17_2: R17.2 U5.13 | length 97.6
  Top Layer w10: U5.13 R17.2
NetR18_2: R18.2 U5.11 | length 103.7
  Top Layer w10: U5.11 3757.01,7550 R18.2
NetR20_2: R20.2 U5.14 | length 101.6
  Top Layer w10: U5.14 3762.01,7700 R20.2
NetU3_2: U3.2 U4.1 | length 593.1
  Top Layer w10: U4.1 4140,6920 4215,6995 4534.14,6995 4560,7020.86 U3.2
nMOTOR_DIR: Q1.3 R14.1 R16.1 TP10.1 | length 431
  Top Layer w10: Q1.3 2982.46,7648.8 3198.8,7648.8 R14.1 3200,7560 3215,7545 3232.01,7545 R16.1@3237.01,7550 ; Q1.3@2975,7653.17 Q1.3@2980.35,7647.81 ; TP10.1 3235,7537.99 R16.1@3237.01,7540
OUTA: J5.1 U5.2 U5.15 | length 1263.9
  Top Layer w43.31: J5.1 2820,8346.3 2820,8150 2865,8105 3120,8105 3365,7860 3365,7775.86 3390.86,7750 U5.15
OUTB: J5.2 U5.7 U5.10 | length 1943.7
  Top Layer w43.31: v1(3035,7425) 3145,7425 3155,7435 3265,7435 3330,7500 U5.7 U5.10
  Bottom Layer w43.31: J5.2 2626.85,7515.37 2652.22,7490 2970,7490 v1(3035,7425)
RS-485_N: J6.1 R5.1 U4.7 | length 2136.7
  Top Layer w10: J6.1 3977.43,4920 3971.57,4925.86 3971.57,5040.07 3889.53,5122.12 3889.53,5222.19 3895.39,5228.05 3903.67,5228.05 3935.56,5196.16 3935.56,5194.64 3980.16,5150.04 R5.1 3999.84,5150.04 4030.56,5180.76 4030.56,5321.7 4036.42,5327.56 4052.99,5327.56 4075,5349.57 4075,6018.37 4077.5,6020.87
  Top Layer w15: 4077.5,6020.87 4077.5,6628.56 4090,6641.06 U4.7
RS-485_P: H3.1 J6.2 U4.6 | length 2136.7
  Top Layer w10: J6.2 3945.72,4920 3951.57,4925.86 3951.57,5031.79 3869.53,5113.84 3869.53,5230.48 3887.1,5248.05 3903.67,5248.05 3909.53,5253.91 3909.53,5330.47 H3.1 3929.53,5399.53 4003.44,5399.53 4029.53,5373.44 4029.53,5354.45 4036.42,5347.56 4044.7,5347.56 4055,5357.86 4055,6008.02 4052.5,6010.52
  Top Layer w15: U4.6 4040,6641.06 4052.5,6628.56 4052.5,6010.52
VBAT: F1.1 J5.3 TP6.1 | length 710.9
  Top Layer w39.37: TP6.1 2295,8485 J5.3 F1.1
VBAT_FUSED: C6.1 C7.2 C8.2 C9.1 D3.1 F1.2 R12.2 R14.2 TP5.1 U5.4 U5.5 U5.12 | length 2374.6
  Top Layer w10: D3.1@1895,7995 1867.09,7967.09 D3.1 1865,7962.82 1872.09,7955.73 D3.1@1905.14,7922.68 ; R14.2@3197.99,7715 R14.2
  Top Layer w29.53: R14.2 3312.01,7712.99 3335,7690 C7.2 3337.5,7652.5 3337.5,7602.5 C8.2 U5.5 U5.4 3555,7650 3600,7605 3662.44,7605 U5.12 3760,7600 C9.1
  Top Layer w39.37: R12.2 1870,7923.02 1855,7957.09 1855,8070 1796.26,8128.74 C6.1 1960,8290 2230,8020 F1.2 ; v1(2895,7715) TP5.1 R14.2@3197.99,7715
  other v1: 2005,7890 2045,7960 2000,8035
pads on no net: J3.3 J3.4 J3.5 J3.6 J3.7 J3.9 J3.10 J3.11 J3.13 J3.14 J3.15 J3.17 J3.23 J3.24 J3.26 J3.27 J3.29 J3.31 J3.33 J3.34 J3.39 J3.40 J3.42 J3.44 J3.45 J3.48 J3.53 J3.56 J3.57 J3.59 J3.60 J3.61 J3.62 J3.64 J3.65 J3.66 J3.69 J3.70 J3.71 J3.72 J3.73 J3.74 J3.75 J3.76 J4. J4.8 J4.9 J4.14 J4.15 J4.16 U1.5 U2.5 U3.1 U6.1 U6.8

## Polygon pours and split planes (outlines as drawn)
GND on GND "GND_L02_P003" (solid, pour order 3): 1345,8585 1335,8575 1335,4655 5285,4655 5280,4660 5280,8585
GND on Bottom Layer "GND_L04_P004" (solid, pour order 4): 1340,8590 1335,8585 1335,4670 5280,4670 5285,4675 5285,8600 1340,8600 1335,8605
VBAT_FUSED on Power "VBAT_FUSED_L03_P010" (solid, pour order 10): 1975,8080 1975,7845 2510,7845 2780,7575 3160,7575 3360,7375 3735,7375 3935,7575 3935,7835 2825,7835 2580,8080
3V3 on Power "3V3_L03_P011" (solid, pour order 11): 1340,4660 5260,4660 5265,4655 5265,8565 1345,8565 1340,8560
5V on Power "5V_L03_P005" (solid, pour order 5): 2090,6340 2090,6230 3925,6230 4770,5385 5085,5385 5090,5390 5090,5885 4685,5885 4585,5985 4585,6670 4650,6735 4785,6735 4785,6830 4790,6835 4345,6835 4175,7005 3940,7005 3905,6970 3905,6710 3525,6350 3510,6345 2085,6345
GND on Top Layer "GND_L01_P012" (solid, pour order 12): 1340,8570 1345,8565 1345,4655 5265,4655 5265,8565 1340,8565
VBAT_FUSED on Top Layer "VBAT_FUSED_L01_P009" (solid, pour order 9): 1790,8055 1785,8050 1785,7860 2065,7860 2065,8055

## Silkscreen, mask and mechanical layers (free items; w line width, h text height)
Top Overlay:
  text "CAN BUS A" at 1745,7715 h60 r270
  text "CAN BUS B" at 1745,6475 h60 r270
Bottom Overlay:
  text "MOTOR CONTROLLER" at 2850,8115 h60
  text "BISS CLK" at 2540,5110 h60
  text "BROADCOM ENCODER" at 5245,5095 h60
  text "RS 485" at 4170,5090 h60
  text "BISS DATA" at 3425,5085 h60